# Altium PCB fullCURRENT power.PcbDoc (part 1 of 2)
Units mil, origin at the board's own origin, x right, y up, seen from the top; angles counter-clockwise.
Board outline 8250 x 6000 mil, 4 copper layers (Top Layer, ML1, ML2, Bottom Layer), stack 62 mil thick; 257 components, 125 nets, 713 pads, 209 vias.
Unrouted connection lines stored in the file: 8.
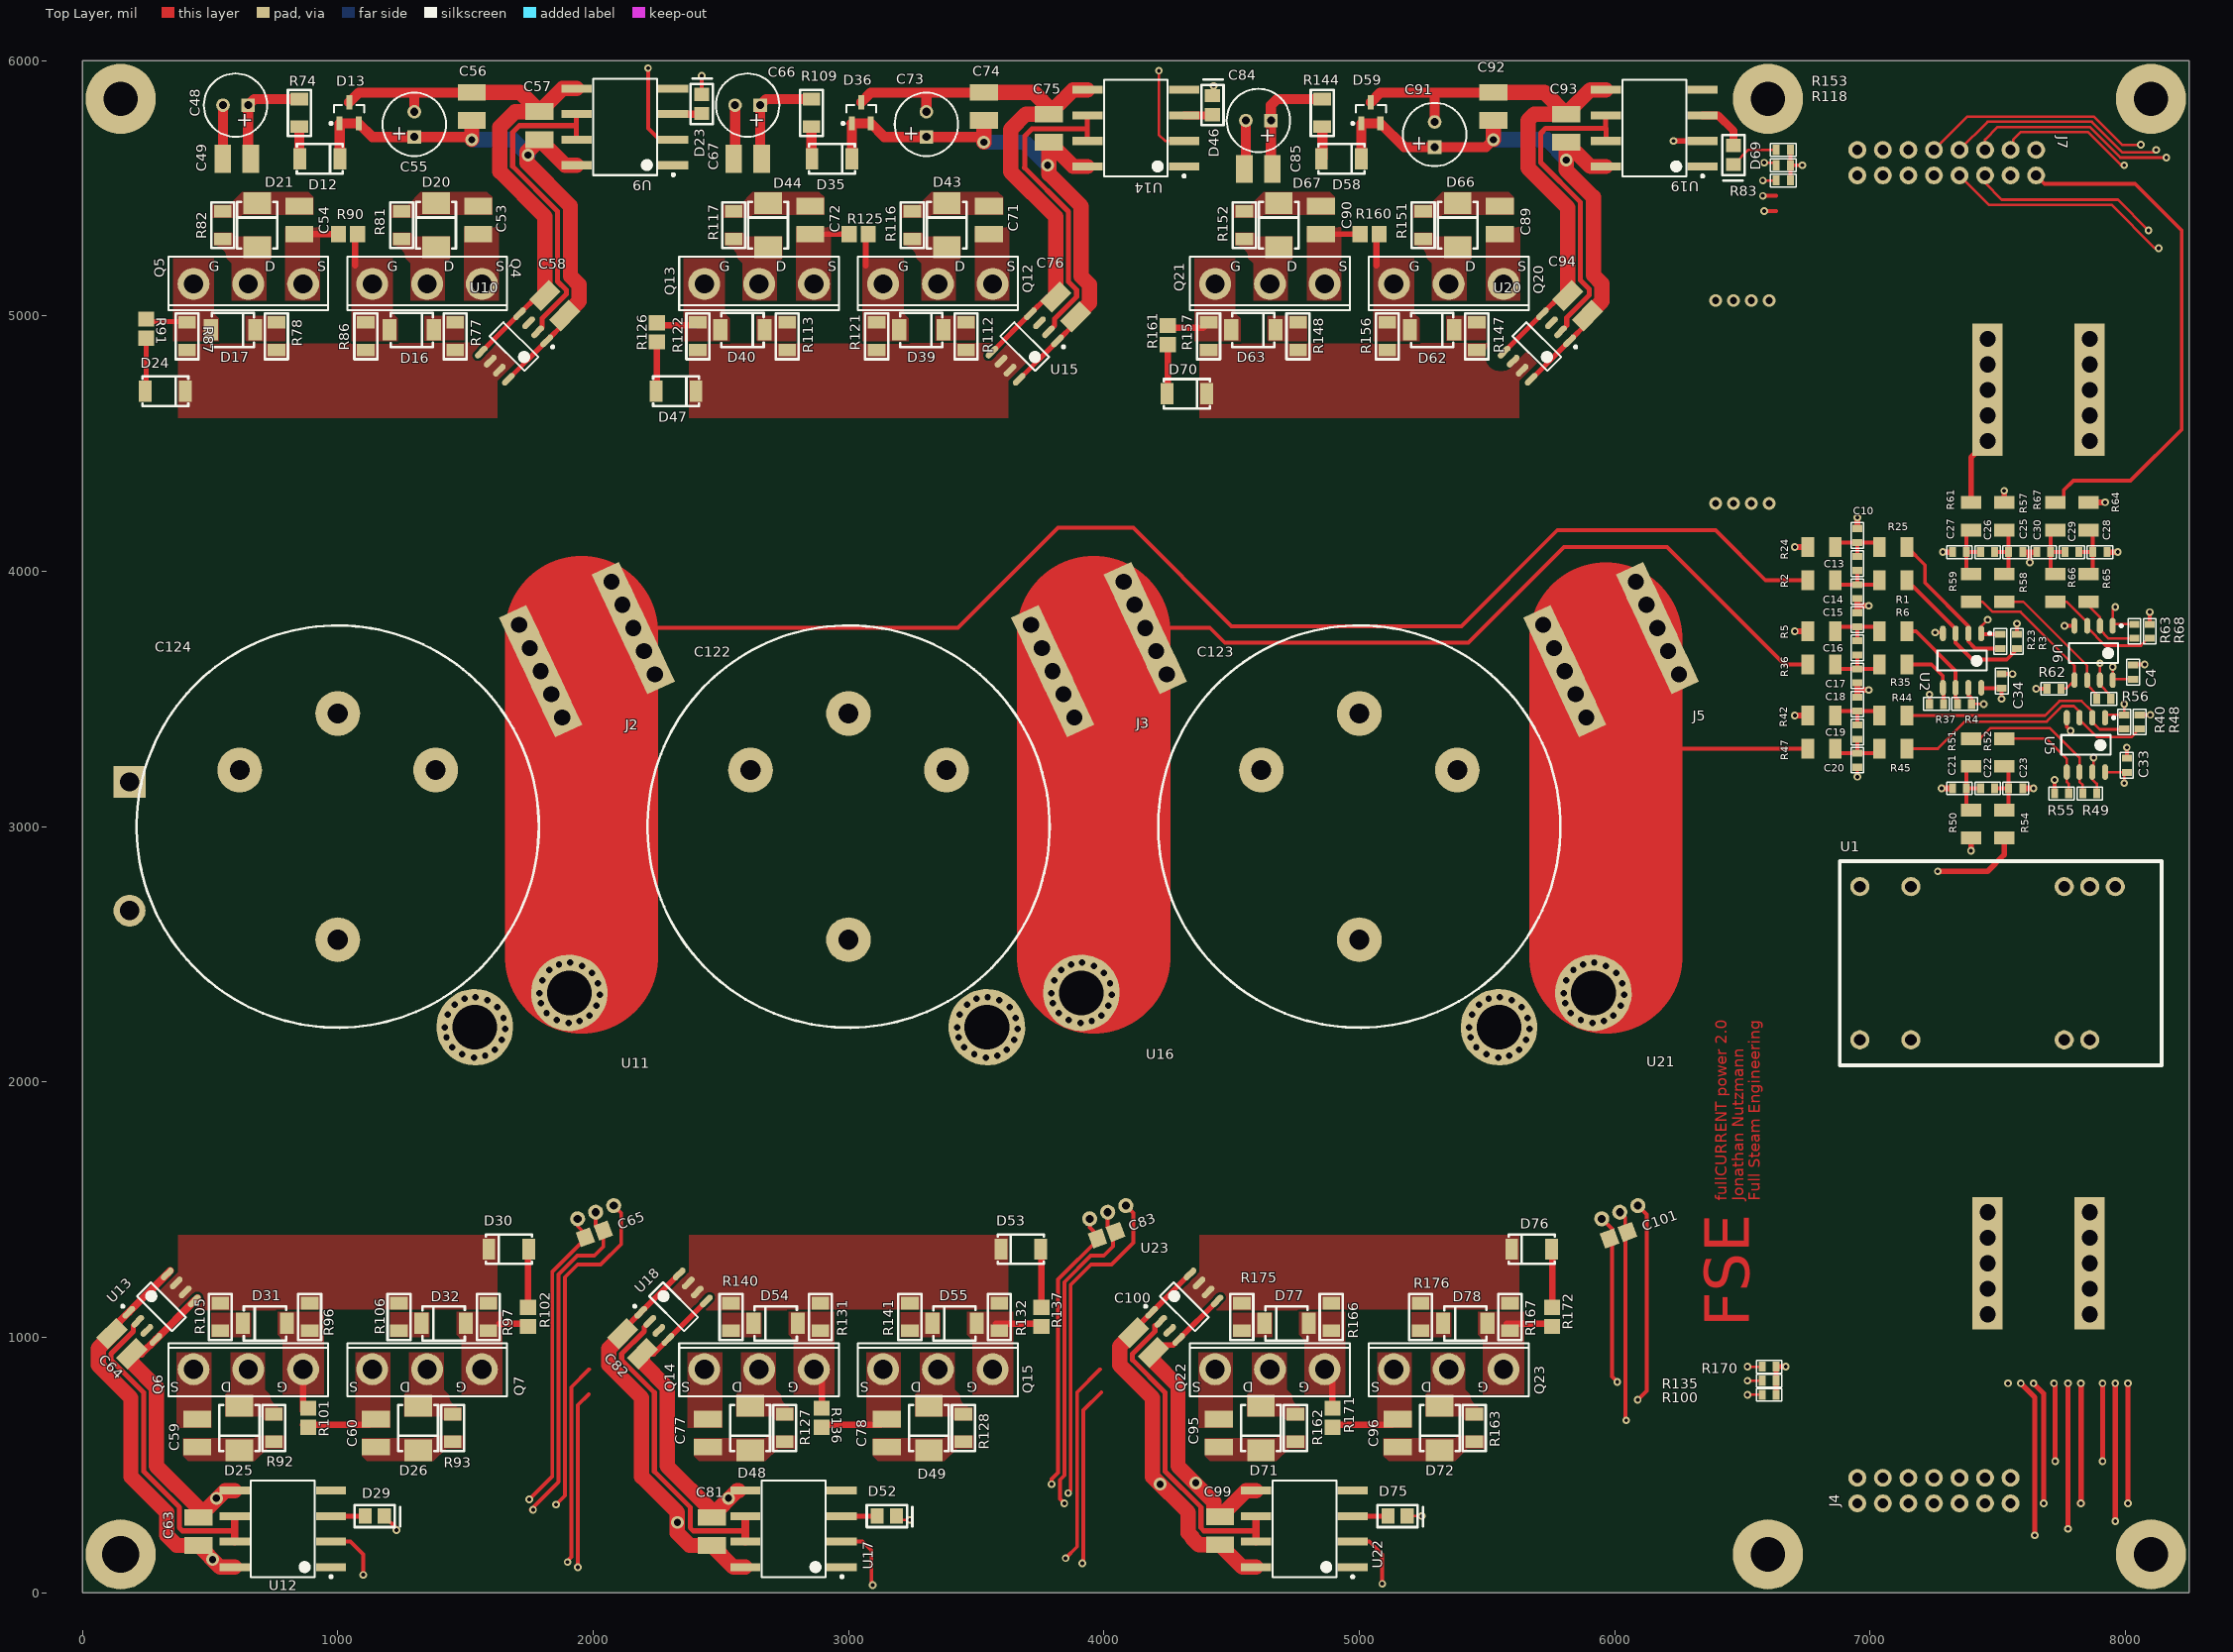
[diagram p0: Top Layer view]
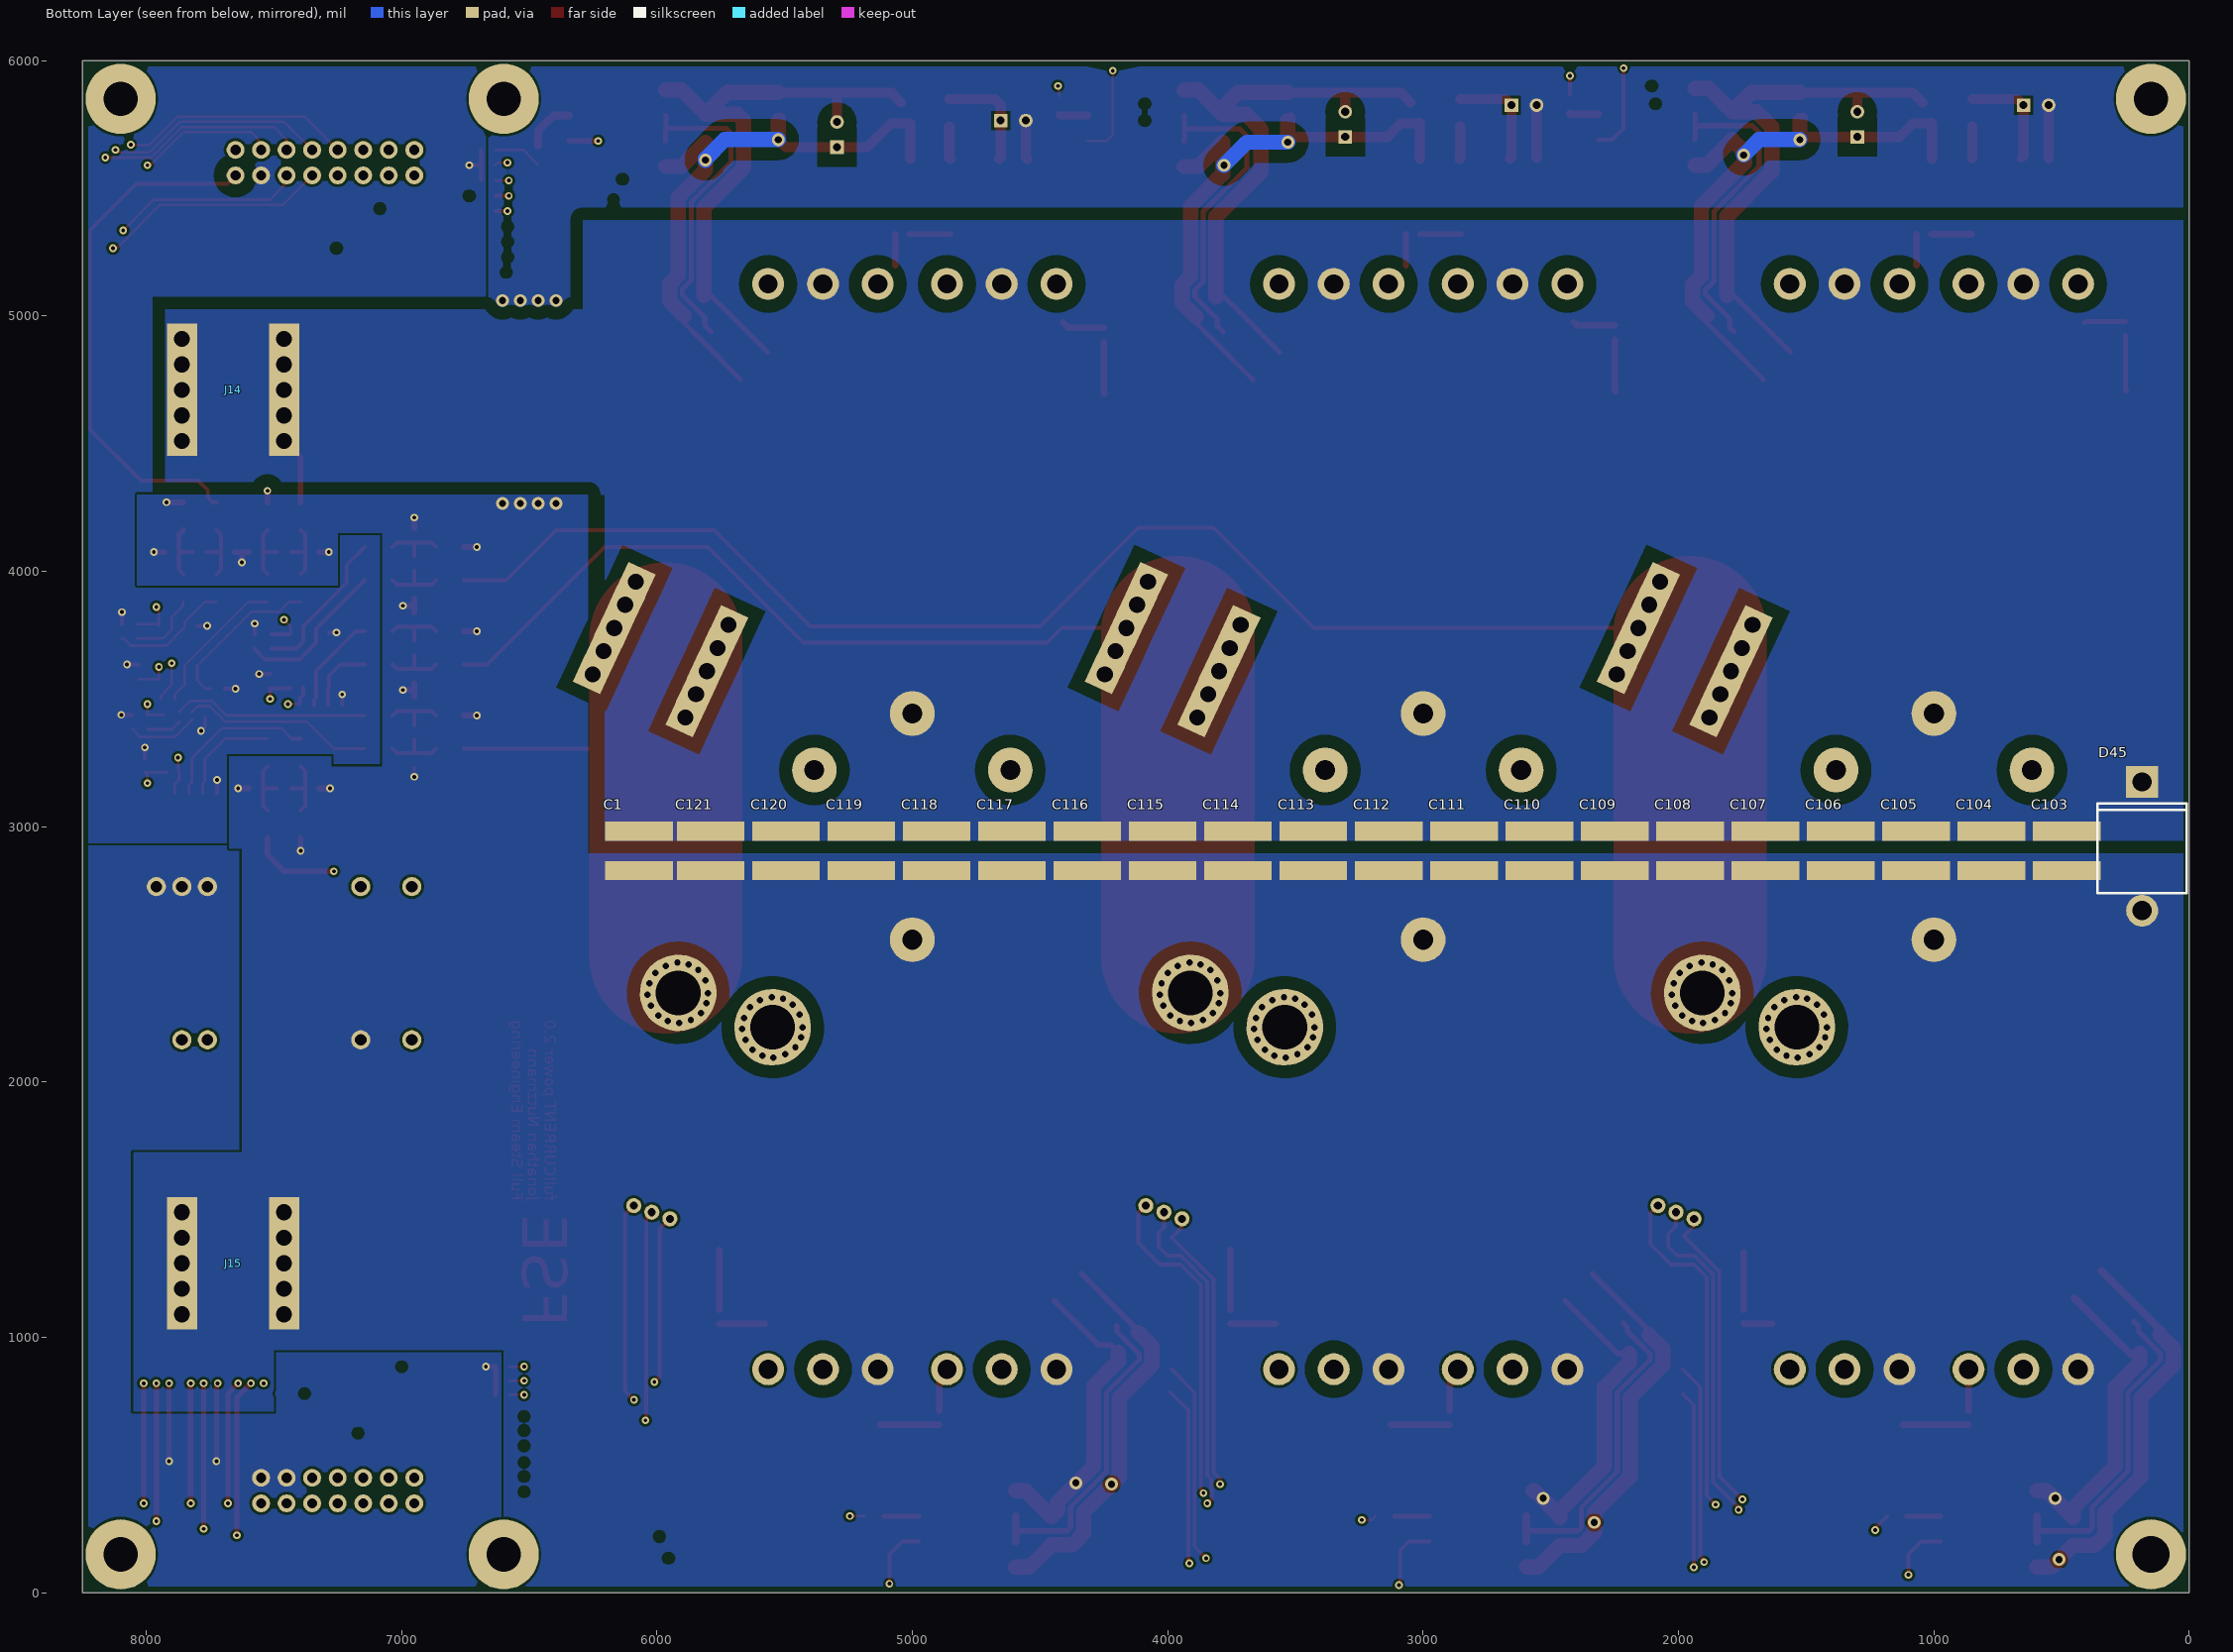
[diagram p1: Bottom Layer view, seen from below]
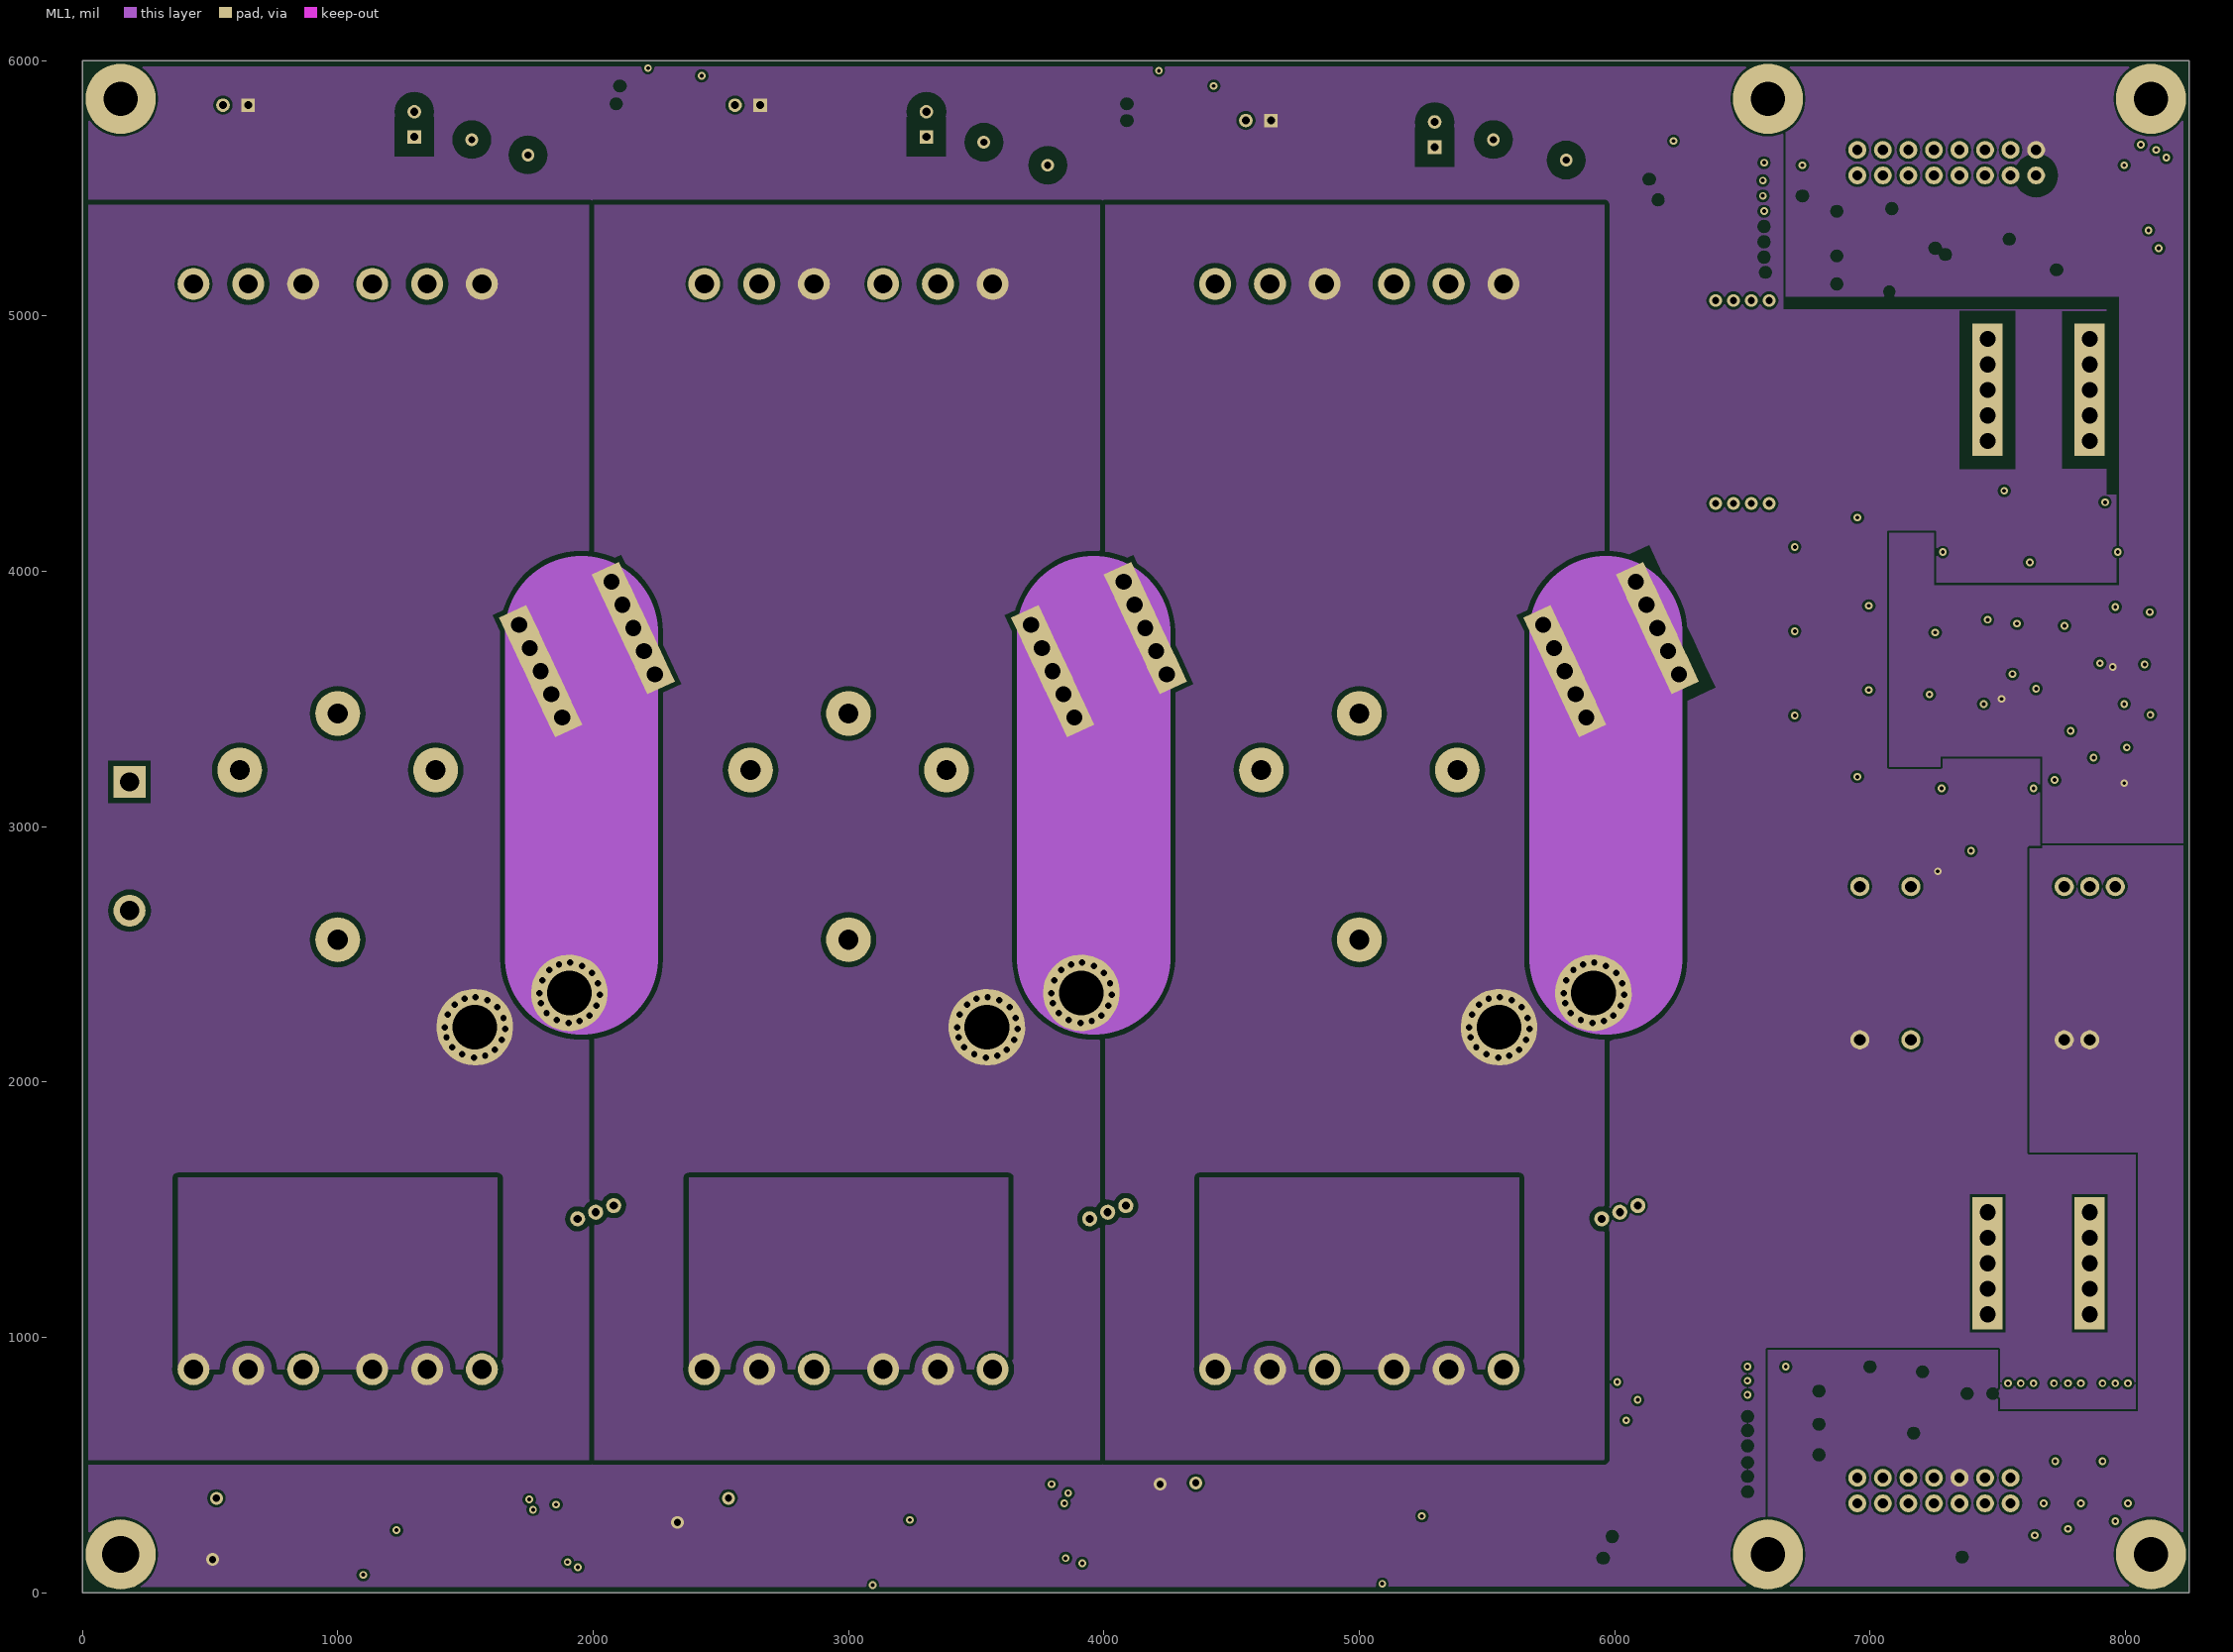
[diagram p2: ML1]
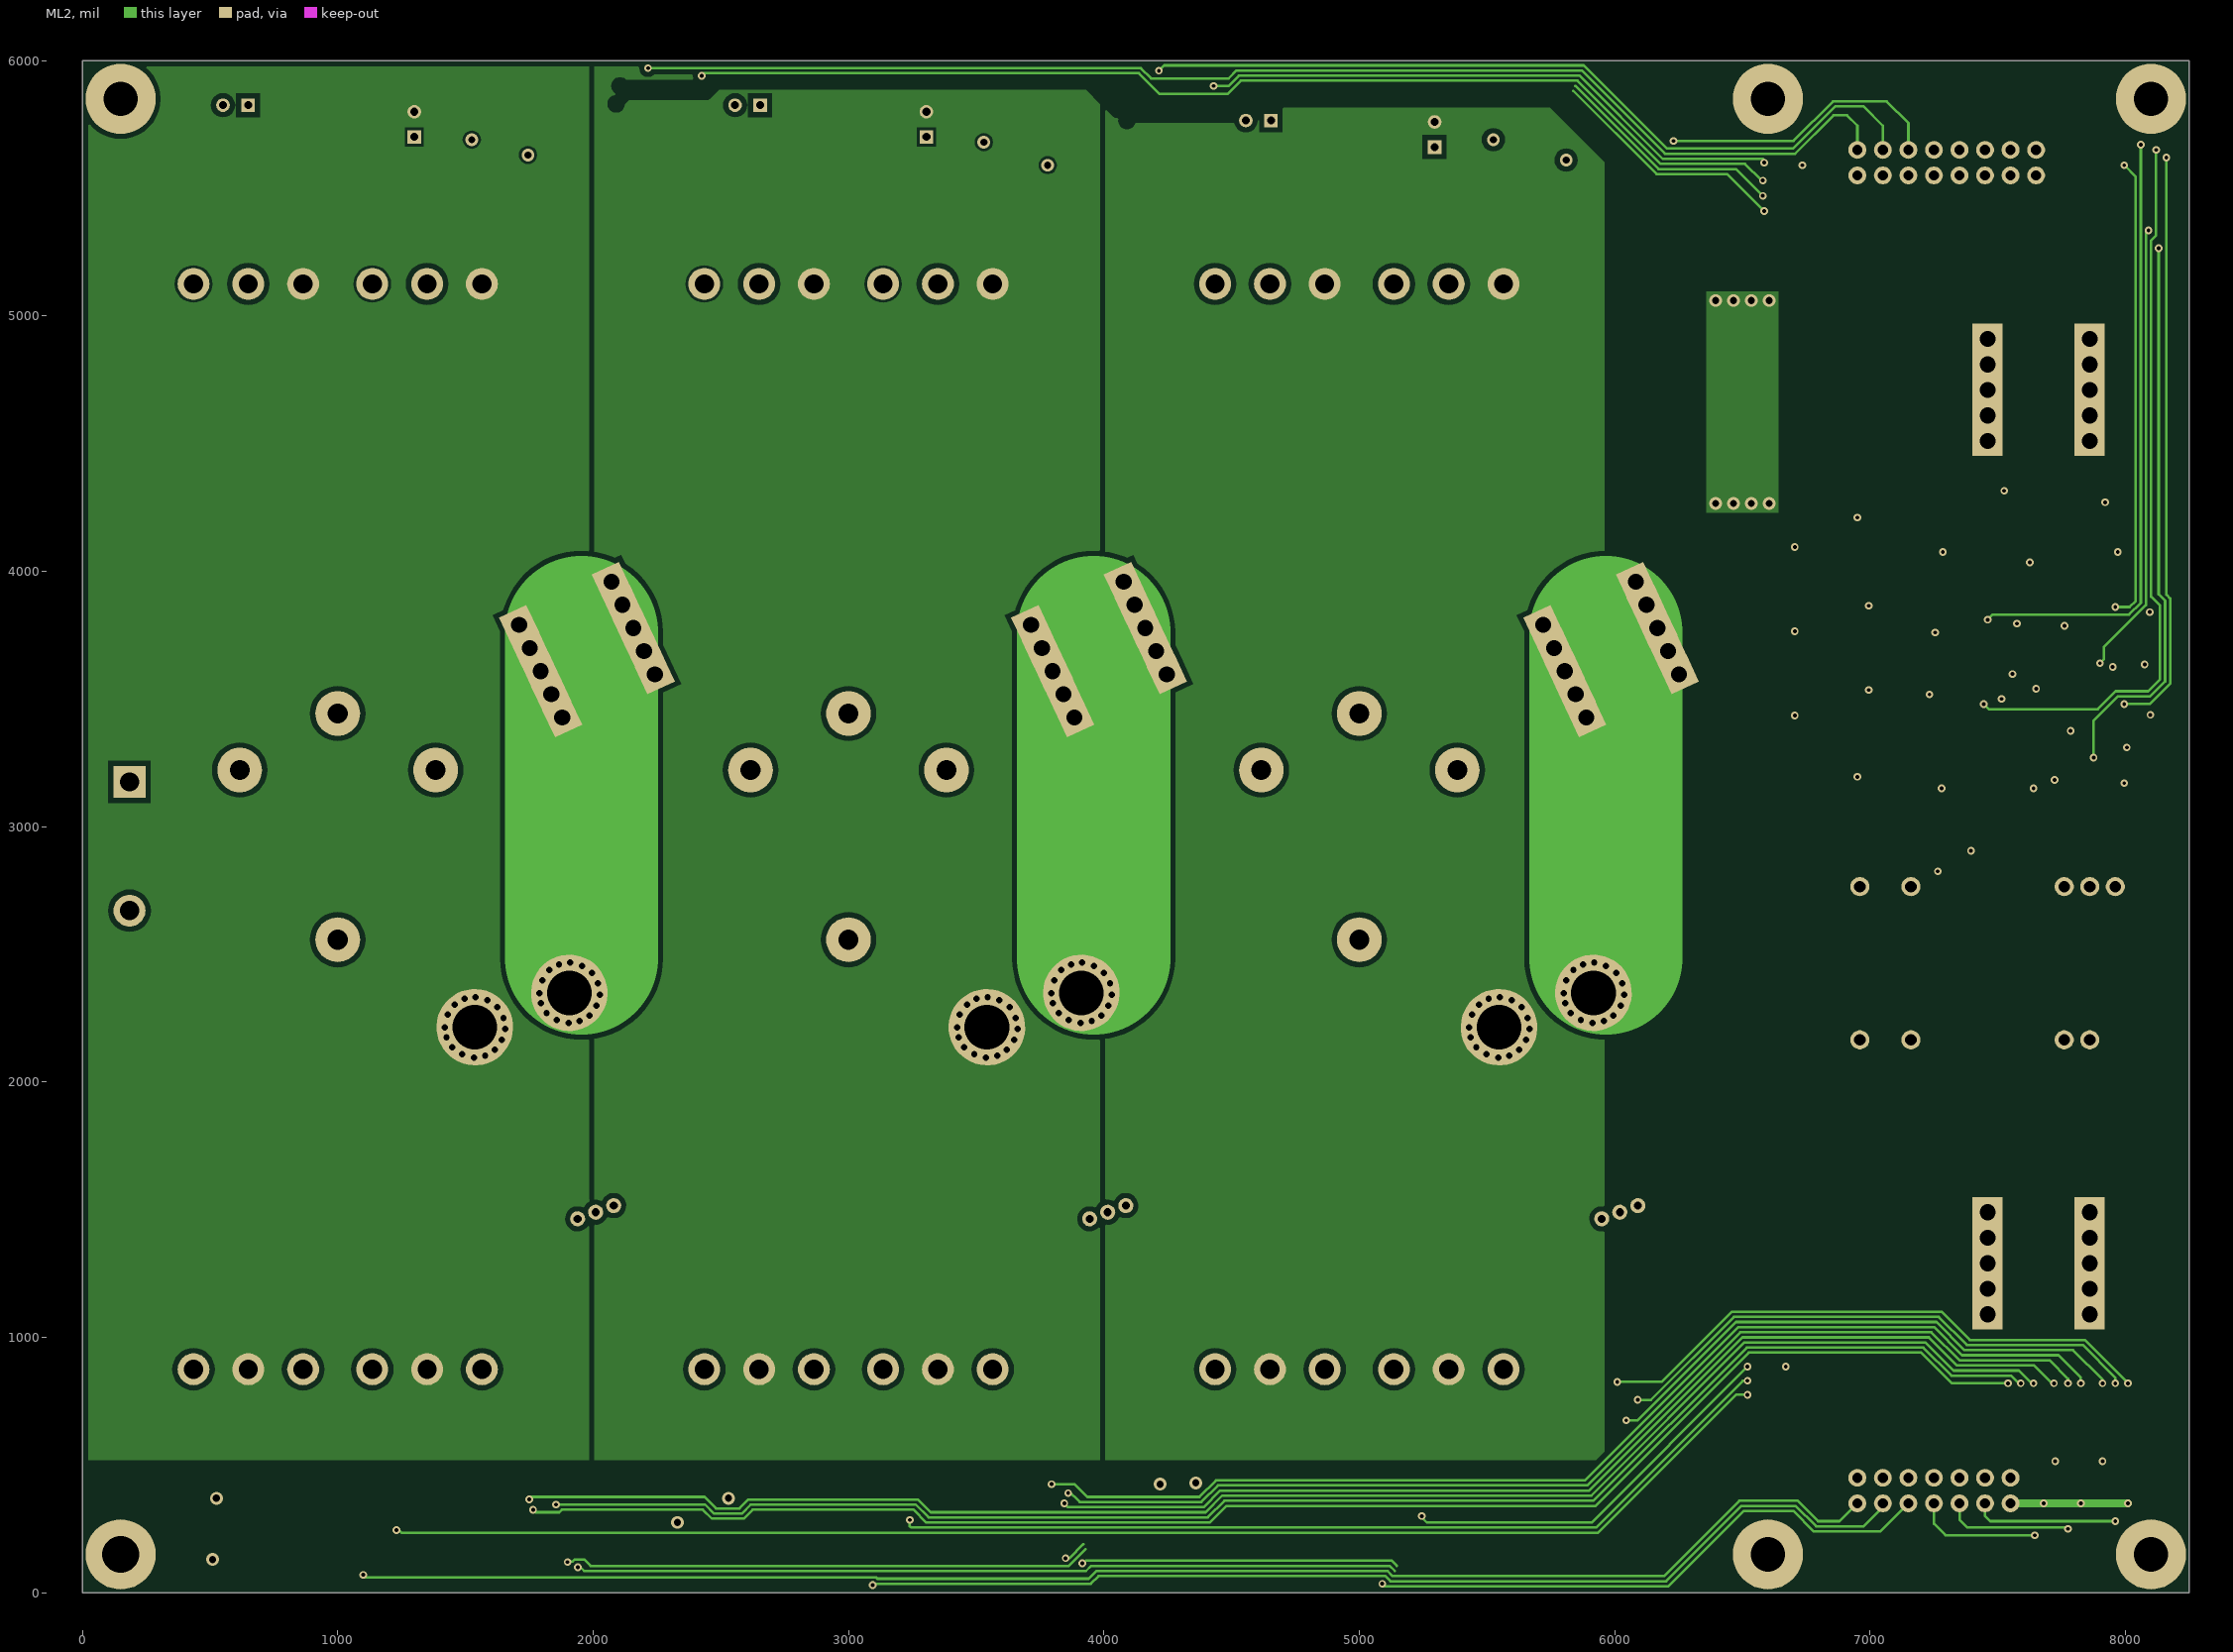
[diagram p3: ML2]
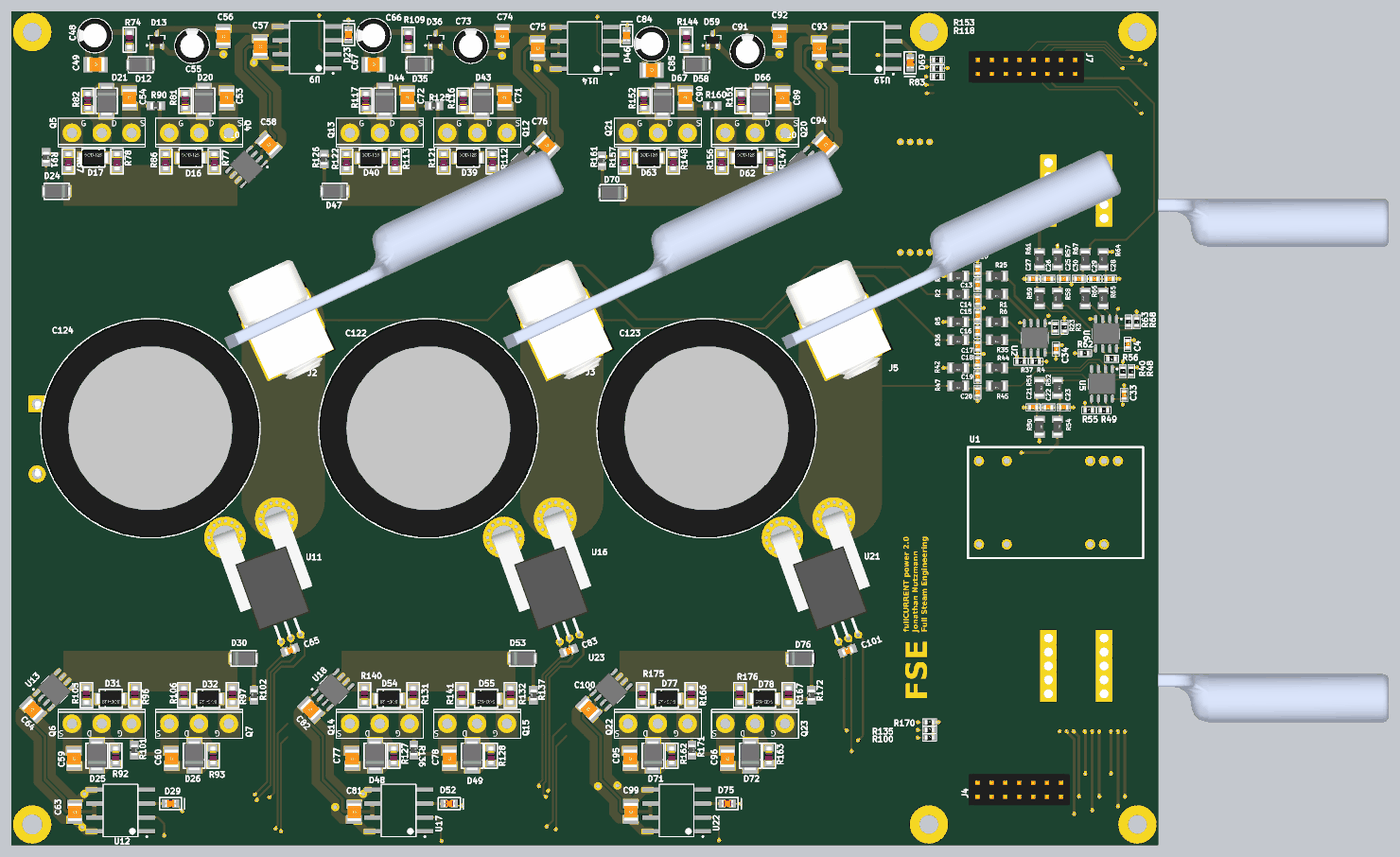
[diagram p5: 3D render of the assembled board from above, using the file's embedded part models]
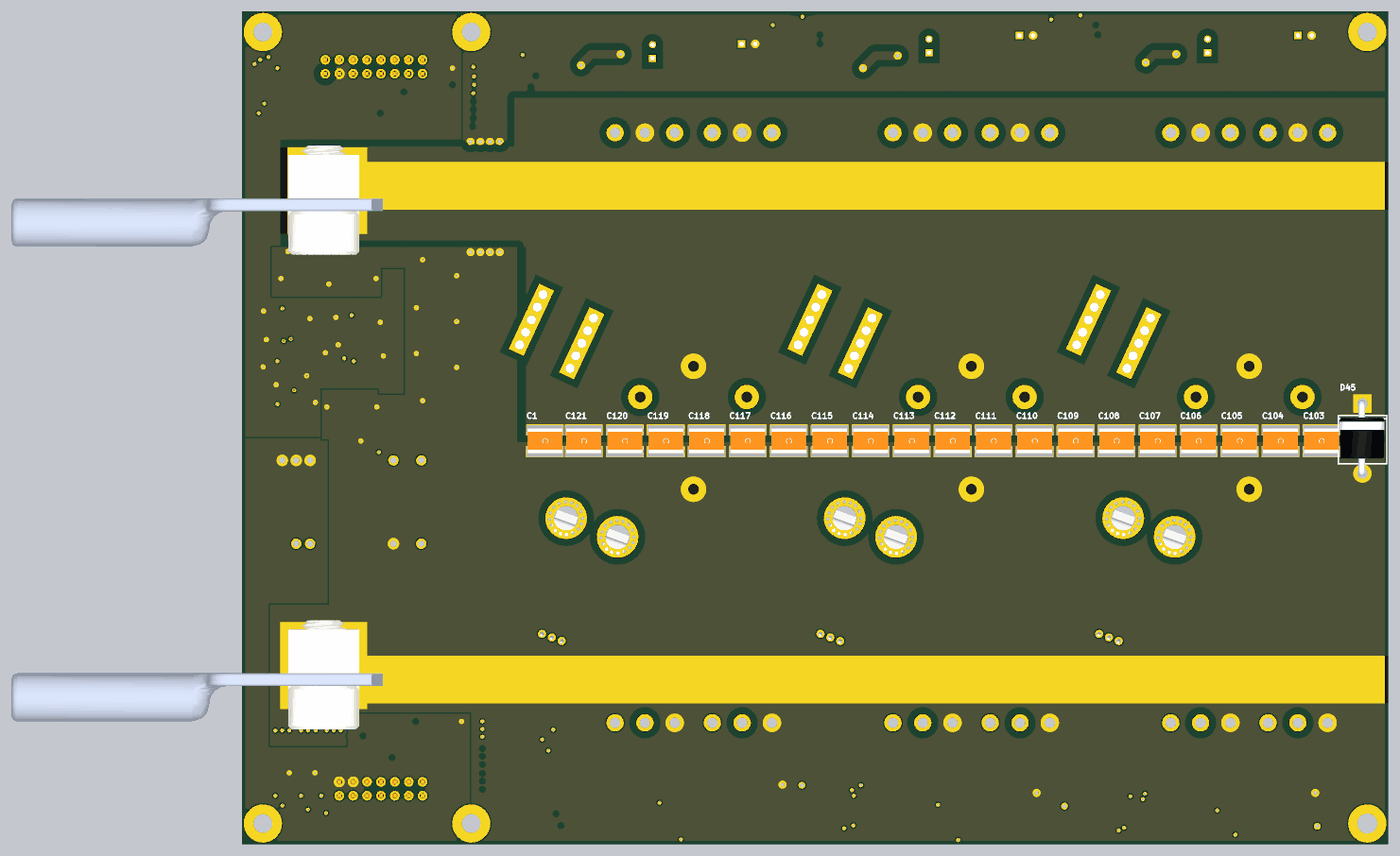
[diagram p6: 3D render of the assembled board from below, using the file's embedded part models]

## Layer stack, top to bottom
Top Layer: signal copper 1.4
Dielectric: core 21.9, FR-4, Dk 4.8
ML1: signal copper 1.4
Dielectric: prepreg 12.6, FR-4, Dk 4.8
ML2: signal copper 1.4
Dielectric: core 21.9, FR-4, Dk 4.8
Bottom Layer: signal copper 1.4

## Board outline
0,0 0,6000 8250,6000 8250,0
